# Altium PCB Power Distribution Board Rev5.PcbDoc (part 1 of 2) (continued)
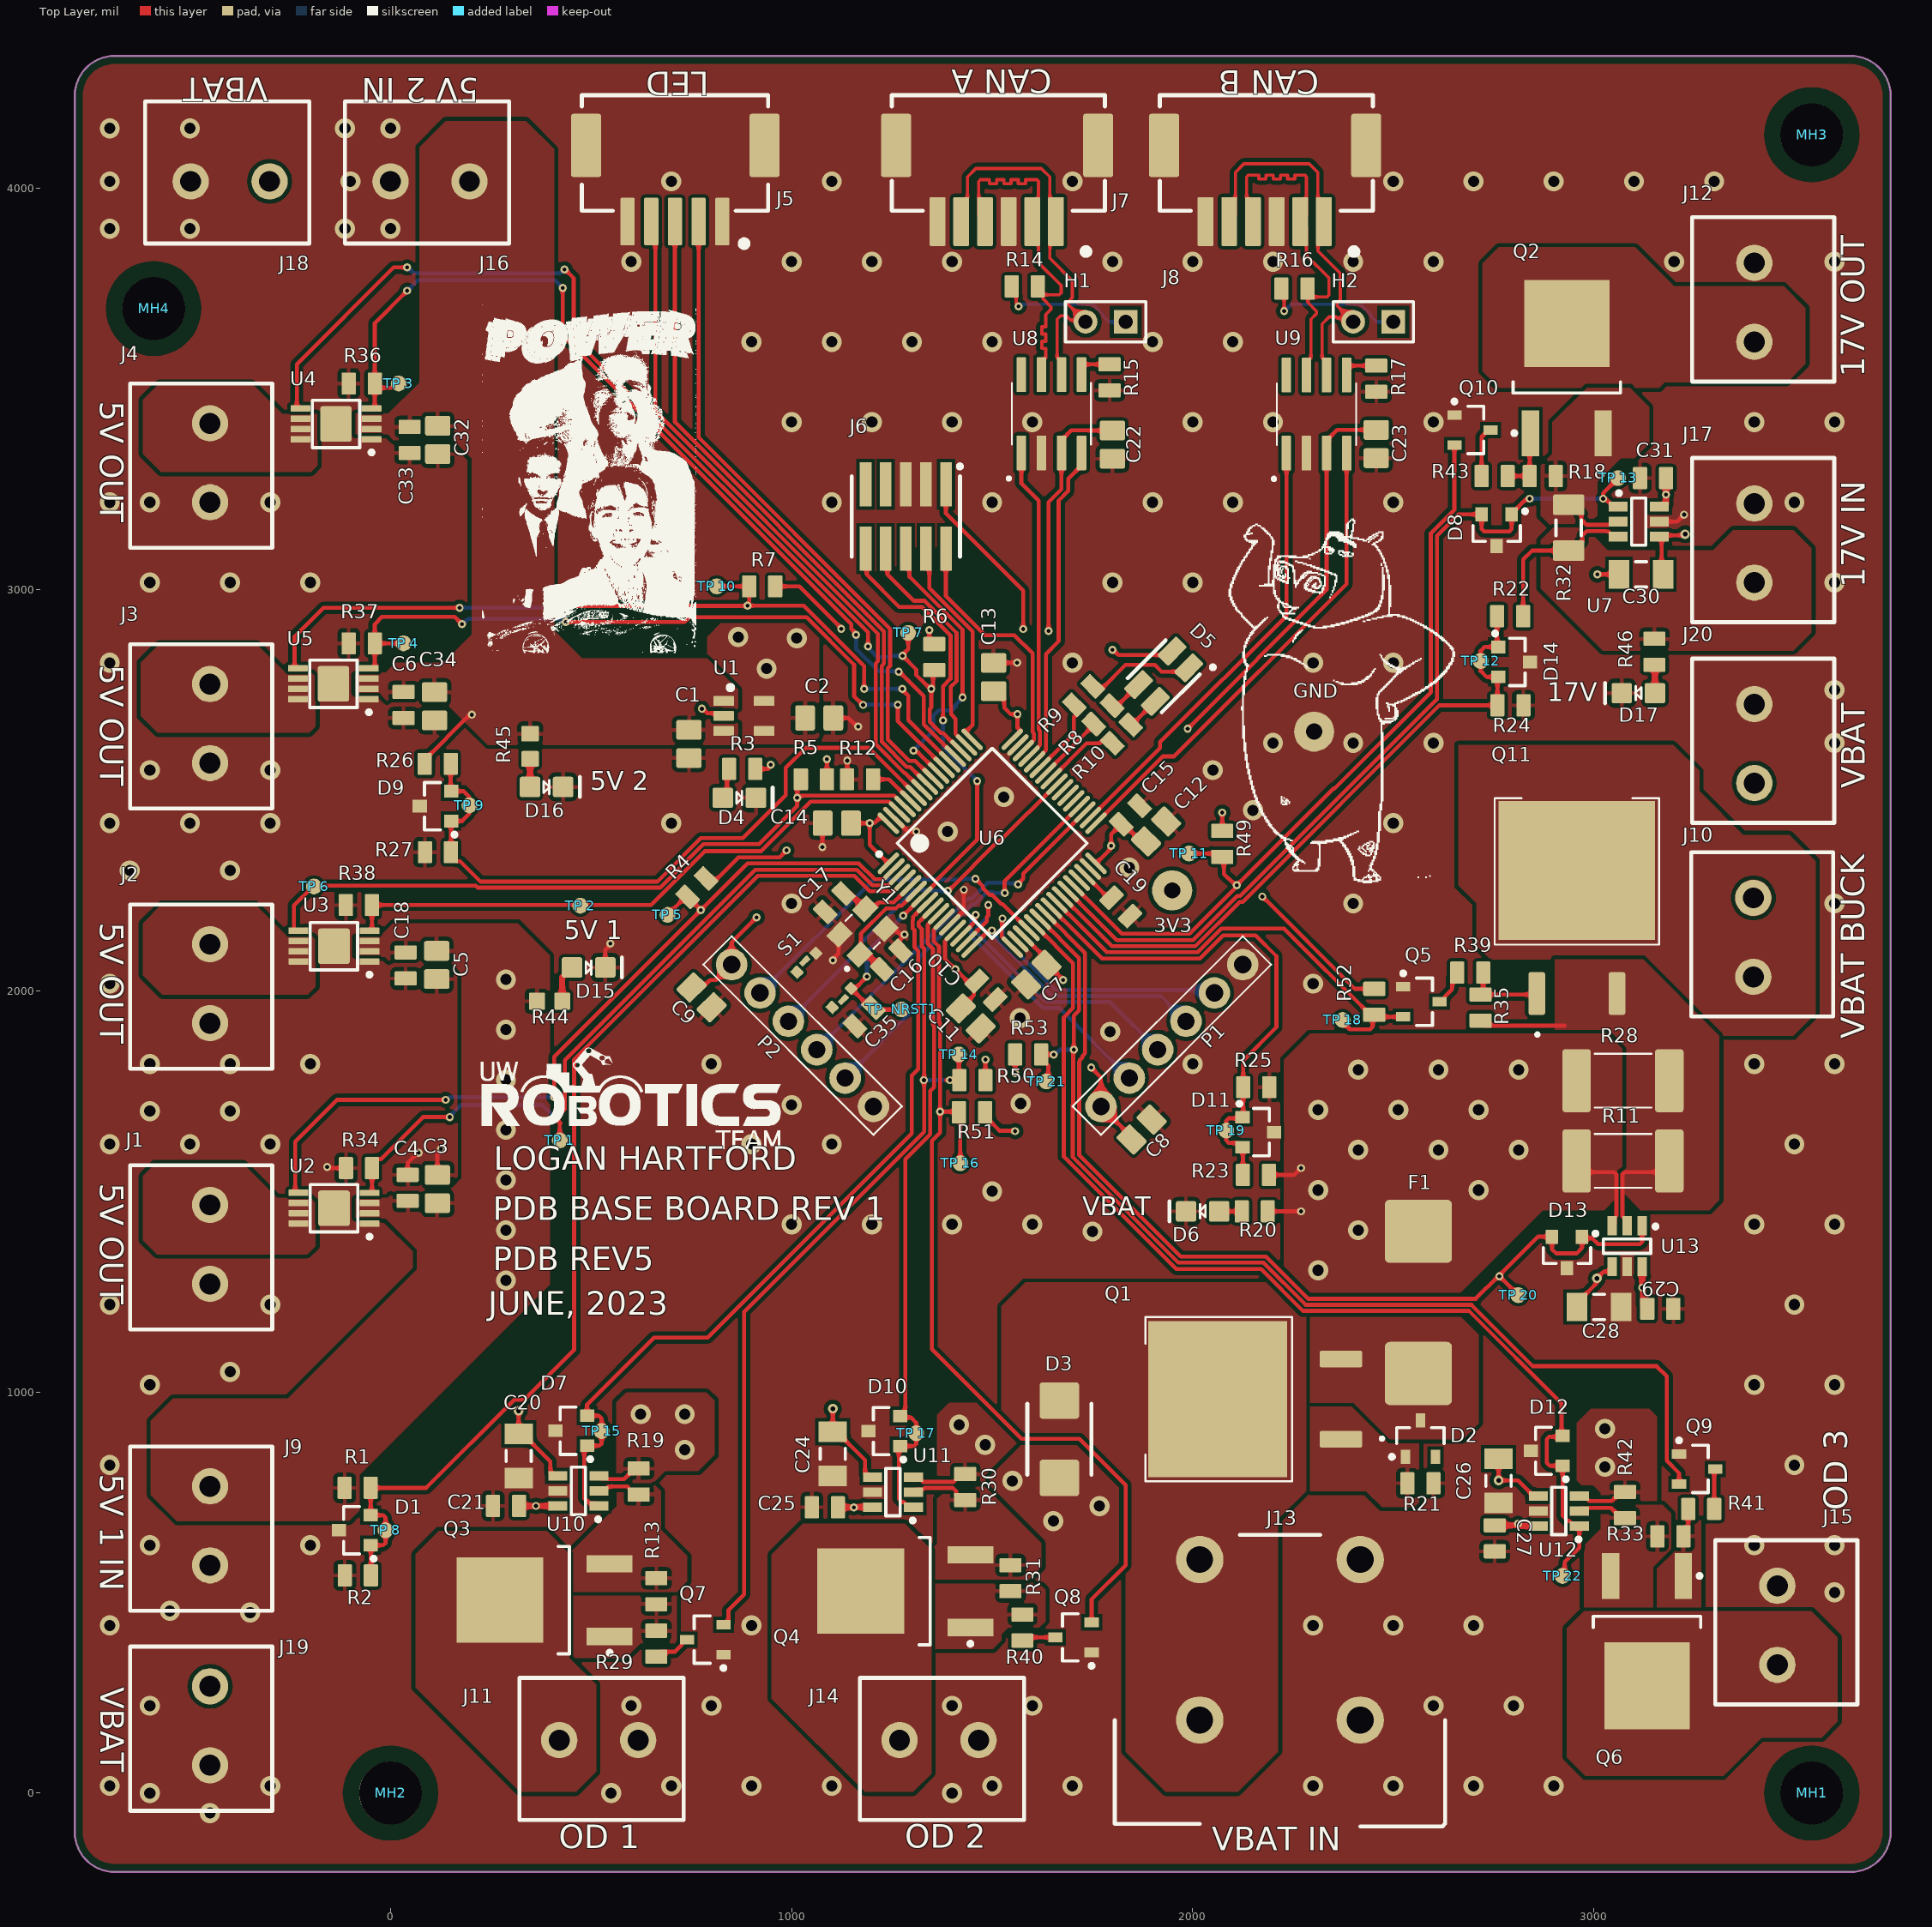
[diagram p0: Top Layer view]
## Components (designator, comment, footprint, x,y, rotation, side; value= is the part's Value field where it differs from the comment) (continued)
"TP 14" "TESTPOINT_1MM_CIRCLE" TESTPOINT_CIRCLE_1MM 1417.12,1841.15 r90 top
"TP 15" "TESTPOINT_1MM_CIRCLE" TESTPOINT_CIRCLE_1MM 526.25,902.38 r90 top
"TP 16" "TESTPOINT_1MM_CIRCLE" TESTPOINT_CIRCLE_1MM 1420.6,1570.15 r90 top
"TP 17" "TESTPOINT_1MM_CIRCLE" TESTPOINT_CIRCLE_1MM 1310.59,896.96 r90 top
"TP 18" "TESTPOINT_1MM_CIRCLE" TESTPOINT_CIRCLE_1MM 2373.6,1927.25 r90 top
"TP 19" "TESTPOINT_1MM_CIRCLE" TESTPOINT_CIRCLE_1MM 2083.53,1651.51 r90 top
"TP 20" "TESTPOINT_1MM_CIRCLE" TESTPOINT_CIRCLE_1MM 2811.6,1241.15 r90 top
"TP 21" "TESTPOINT_1MM_CIRCLE" TESTPOINT_CIRCLE_1MM 1635,1774 r90 top
"TP 22" "TESTPOINT_1MM_CIRCLE" TESTPOINT_CIRCLE_1MM 2921.97,541.22 r90 top
"TP  NRST1" "TESTPOINT_1MM_CIRCLE" TESTPOINT_CIRCLE_1MM 1274.04,1953.67 r90 top
U1 "LDO_3.3V_500mA" SOT23-5 880.96,2685.07 r0 top
U2 "BD82006FVJ-MGE2" 8-TSSOP-BJ -140.88,1457.82 r180 top
U3 "BD82006FVJ-MGE2" 8-TSSOP-BJ -141.05,2111.01 r180 top
U4 "BD82006FVJ-MGE2" 8-TSSOP-BJ -135.98,3412.99 r180 top
U5 "BD82006FVJ-MGE2" 8-TSSOP-BJ -142.45,2765.2 r180 top
U6 "STM32F446RET6" STM_LQFP64_N 1500,2367.72 r45 top
U7 "MPQ8112GJ-AEC1-Z" MPQ8112GJ-AEC1-Z 3111.63,3169.57 r0 top
U8 "IC_CAN_TRANSCEIVER" SOIC127P600X175-8N 1647.74,3438.46 r90 top
U9 "IC_CAN_TRANSCEIVER" SOIC127P600X175-8N 2308.58,3437.62 r90 top
U10 "MPQ8112GJ-AEC1-Z" MPQ8112GJ-AEC1-Z 468.26,753.15 r180 top
U11 "MPQ8112GJ-AEC1-Z" MPQ8112GJ-AEC1-Z 1252.6,750.35 r180 top
U12 "MPQ8112GJ-AEC1-Z" MPQ8112GJ-AEC1-Z 2912.6,703.15 r180 top
U13 "MPQ8112GJ-AEC1-Z" MPQ8112GJ-AEC1-Z 3082.91,1363.15 r270 top
Y1 "CRYSTAL_25MHZ_20PF" XTAL_ECS-250-20-33-CKM-TR 1176.79,2147.18 r45 top

## Footprints (in the part's own frame and the unit in brackets; to place one, negate y for a bottom-side part, rotate by r counter-clockwise, add the part's x,y. Pads: shape width x height; smd on the part's side, far side on the other; paste and mask are expansions set on the pad)
8-TSSOP-BJ [mm]
  rrect15% 1.25x0.4 smd: 1(-2.25,0.975) 2(-2.25,0.325) 3(-2.25,-0.325) 4(-2.25,-0.975) 5(2.25,-0.985) 6(2.25,-0.335) 7(2.25,0.315) 8(2.25,0.965)
  rrect15% 2x2.25 smd: 9(0,0)
  silkscreen extent -2.38,-1.5 1.5,1.92, body extent -2.47,-1.5 2.53,1.5, height 1.09
1935161 [mm] "TERM BLK 2POS SIDE ENTRY 5MM PCB"
  round 2.3 hole 1.325: 1(-2.5,0) 2(2.5,0)
  silkscreen extent -5.01,-5.06 5.39,3.94, body extent -5.01,-5.06 5.39,3.94, height 11.41
CAP0805 [mm] "Chip Capacitor, Body 2.0x1.2mm, Height 0.45mm, IPC Medium Density"
  rrect15% 0.9x1.4 smd: 1(-0.825,0) 2(0.825,0)
  body extent -1.1,-0.73 1.1,0.73, height 1.39
CAP2012 [mm]
  rrect20% 1.25x1.6 smd: 1(-0.895,0) 2(0.895,0)
  body extent -1.1,-0.7 1.1,0.75, height 1.41
CAPC3216X190X50NL20T25 [mm] "Chip Capacitor, 2-Leads, Body 3.20x1.60mm, IPC Medium Density"
  rect 1.3x1.8 smd: 1(-1.4,0) 2(1.4,0)
  silkscreen extent -0.35,-0.8 0.35,0.8, body extent -1.6,-0.9 1.6,0.9, height 1.59
CONN_6POS_SIP [mm]
  round 2 hole 1.1: 1(0,6.35) 2(0,3.81) 3(0,1.27) 4(0,-1.27) 5(0,-3.81) 6(0,-6.35)
  silkscreen extent -1.27,-7.62 1.27,7.62, body extent -1.27,-7.62 1.27,7.62, height 9.5
"DPAK254P1524X483-4_3N - new" [mm]
  rrect25% 2.7x1.06 smd: 1(-6.4,2.54) 3(-6.4,-2.54)
  rect 8.8x9.9 smd: 2(1.397,0)
  silkscreen extent -9.1,-5.2 5.97,5.2, body extent -7.62,-5.08 7.62,5.08, height 4.83
ESD3V3AP-TP [mm] "TVS DIODE 3.3VWM 7.5VC SOT23"
  rect 0.9x0.8 smd: 1(-1,0.95) 2(-1,-0.95) 3(1,0)
  silkscreen extent -1.33,-1.5 0.7,1.92, body extent -1.32,-1.52 1.32,1.52, height 1.1
FTSH-105-01-F-DV-K-P-TR [mil] "Samtec programming header 10 positions"
  rect 29x110 smd mask+2: 1(-100,-80) 2(-100,80) 3(-50,-80) 4(-50,80) 5(0,-80) 6(0,80) 7(50,-80) 8(50,80) 9(100,-80) 10(100,80)
  silkscreen extent -140,-130 135,100, body extent -125,-175 125,115, height 276
FUSE_3912 [mm] "Chip Fuse, Body 9.8x2.03mm"
  rrect15% 4x4.25 smd: 1(-4.5,0) 2(4.5,0)
  body extent -4.9,-1.53 4.9,1.53, height 3.18
HDR1X2 [mm] "Connector; Header; 2 Position"
  rect 1.5x1.5 hole 0.9: 1(0,0)
  round 1.5 hole 0.9: 2(2.54,0)
  silkscreen extent -1.27,-1.27 3.81,1.27, body extent -1.27,-1.27 3.81,1.27, height 6.35
LED_0805_GREEN [mm] "SMD, 2-Leads, Body 2x1.25mm"
  rrect20% 1.3x1.3 smd: 1(-1.05,0) 2(1.05,0)
  silkscreen extent -0.18,-0.64 2.11,0.64, body extent -1,-0.62 1,0.63, height 1.12
LED_RGB [mm]
  rrect20% 1x1.7 smd: 1(-0.75,-1.5) 2(-0.75,1.5) 3(0.75,1.5) 4(0.75,-1.5)
  silkscreen extent -1.92,-2.72 1.53,1.7, body extent -1.4,-1.75 1.4,1.75, height 1.89
MOLEX-5025850570 [mm]
  rrect15% 1.9x4 smd: 0(-8.625,4.82) 0(2.675,4.82)
  rrect15% 0.9x3 smd: 1(0,0) 2(-1.5,0) 3(-3,0) 4(-4.5,0) 5(-6,0)
  silkscreen extent -8.9,-1.6 2.9,8, body extent -8.9,-0.5 2.9,8, height 6.21
MOLEX-5025850670 [mm]
  rrect15% 1.9x4 smd: 0(-10.125,4.82) 0(2.675,4.82)
  rrect15% 1x3.1 smd: 1(0,0) 2(-1.5,0) 3(-3,0) 4(-4.5,0) 5(-6,0) 6(-7.5,0)
  silkscreen extent -10.4,-2.1 3.1,8, body extent -10.25,-0.62 3.05,7.88, height 6.41
MOUNTING_HOLE_5/38#1 [mm] "Meant to use with Mcmaster-carr PN: 91443A250"
  round 3.97 hole 3.97 unplated mask+0.3: 0(1.1,0.82)
MOUNTING_HOLE_5/38#2 [mm] "Meant to use with Mcmaster-carr PN: 91443A250"
  round 3.97 hole 3.97 unplated mask+0.3: 0(0,-1.72)
MOUNTING_HOLE_5/38#3 [mm] "Meant to use with Mcmaster-carr PN: 91443A250"
  round 3.97 hole 3.97 unplated mask+0.3: 0(1.1,-0.86)
MOUNTING_HOLE_5/38#4 [mm] "Meant to use with Mcmaster-carr PN: 91443A250"
  round 3.97 hole 3.97 unplated mask+0.3: 0(-4.59,0.51)
MPQ8112GJ-AEC1-Z [mm] "SOT23, 6-Leads, Body 2.90x2.40mm, Pitch 0.95mm, IPC Medium Density"
  rect 1.2x0.6 smd: 1(-1.3,0.95) 2(-1.3,0) 3(-1.3,-0.95) 4(1.3,-0.95) 5(1.3,0) 6(1.3,0.95)
  silkscreen extent -1.37,-1.5 0.45,1.92, body extent -1.28,-1.5 1.28,1.5, height 1
RD3P130SPFRATL [mm] "MOSFET P-CH 100V 13A TO252"
  rect 2.9x1.1 smd: 1(-4.65,2.3) 3(-4.65,-2.3)
  rect 5.5x5.4 smd: 2(2.3,0)
  silkscreen extent -4.77,-3.4 -1.4,3.45, body extent -4.4,-3.4 5.6,3.4, height 2.3
RES0603 [mm] "Chip Resistor, Body 1.6x0.8mm, IPC Medium Density"
  rrect15% 1x1.1 smd: 1(0,0) 2(1.6,0)
  body extent 0,-0.4 1.6,0.4, height 0.46
RES0805 [mm] "Chip Resistor, 2-Leads, Body 2.00x1.25mm, IPC High Density"
  rrect15% 0.9x1.4 smd: 1(-0.825,0) 2(0.825,0)
  body extent -1,-0.62 1,0.63, height 0.61
RES1206 [mm] "Chip Resistor, Body 3.2x1.6mm, IPC Medium Density"
  rrect20% 1.3x2 smd: 1(-1.45,0) 2(1.45,0)
  silkscreen extent -0.5,-0.8 0.5,0.8, body extent -1.6,-0.8 1.6,0.8, height 0.61
RESC6532X75N [mm]
  rrect20% 1.8x4 smd: 1(-2.935,0) 2(2.935,0)
  silkscreen extent -1.79,-1.7 1.79,1.7, body extent -3.17,-1.6 3.17,1.6, height 0.65
SOIC127P600X175-8N [mm]
  rrect15% 2.2x0.6 smd: 1(-2.475,1.905) 2(-2.475,0.635) 3(-2.475,-0.635) 4(-2.475,-1.905) 5(2.475,-1.905) 6(2.475,-0.635) 7(2.475,0.635) 8(2.475,1.905)
  silkscreen extent -4.2,-2.51 1.95,2.8, body extent -3,-2.45 3,2.45, height 1.75
SOT23-3 [mm] "SOT23, 3-Leads, Body 2.90x2.30mm, Pitch 0.95mm, IPC Medium Density"
  rect 0.9x0.6 smd: 1(-1.15,0.95) 2(-1.15,-0.95) 3(1.15,0)
  silkscreen extent -1.27,-1.5 0.7,1.92, body extent -1.3,-1.5 1.3,1.5, height 1.1
SOT23-5 [mm]
  rrect15% 1.3x0.63 smd: 1(-1.279,0.95) 2(-1.279,0) 3(-1.279,-0.95) 4(1.279,-0.95) 5(1.279,0.95)
  silkscreen extent -0.99,1.66 -0.71,1.94, body extent -1.4,-1.45 1.4,1.45, height 1.2
STM_LQFP64_N [mm] "Thin QFP, 64-Leads, Body 10x10mm, Pitch 0.5mm, IPC Medium Density"
  oval 1.8x0.3 smd mask+0.05: 1(-5.55,3.75) 2(-5.55,3.25) 3(-5.55,2.75) 4(-5.55,2.25) 5(-5.55,1.75) 6(-5.55,1.25) 7(-5.55,0.75) 8(-5.55,0.25) 9(-5.55,-0.25) 10(-5.55,-0.75) 11(-5.55,-1.25) 12(-5.55,-1.75) 13(-5.55,-2.25) 14(-5.55,-2.75) 15(-5.55,-3.25) 16(-5.55,-3.75) 33(5.55,-3.75) 34(5.55,-3.25) 35(5.55,-2.75) 36(5.55,-2.25) 37(5.55,-1.75) 38(5.55,-1.25) 39(5.55,-0.75) 40(5.55,-0.25) 41(5.55,0.25) 42(5.55,0.75) 43(5.55,1.25) 44(5.55,1.75) 45(5.55,2.25) 46(5.55,2.75) 47(5.55,3.25) 48(5.55,3.75)
  oval 0.3x1.8 smd mask+0.05: 17(-3.75,-5.55) 18(-3.25,-5.55) 19(-2.75,-5.55) 20(-2.25,-5.55) 21(-1.75,-5.55) 22(-1.25,-5.55) 23(-0.75,-5.55) 24(-0.25,-5.55) 25(0.25,-5.55) 26(0.75,-5.55) 27(1.25,-5.55) 28(1.75,-5.55) 29(2.25,-5.55) 30(2.75,-5.55) 31(3.25,-5.55) 32(3.75,-5.55) 49(3.75,5.55) 50(3.25,5.55) 51(2.75,5.55) 52(2.25,5.55) 53(1.75,5.55) 54(1.25,5.55) 55(0.75,5.55) 56(0.25,5.55) 57(-0.25,5.55) 58(-0.75,5.55) 59(-1.25,5.55) 60(-1.75,5.55) 61(-2.25,5.55) 62(-2.75,5.55) 63(-3.25,5.55) 64(-3.75,5.55)
  silkscreen extent -5.67,-4.25 4.25,4.7, body extent -6,-5.99 6,6.01, height 1.56
TACTILE_SWITCH_SMD [mm]
  rrect15% 0.65x0.6 smd: 1(-1.575,0.85) 2(1.575,0.85) 3(1.575,-0.85) 4(-1.575,-0.85)
  rrect15% 0.35x0.7 smd: 5(1.725,0) 6(-1.725,0)
  body extent -1.75,-1.35 1.75,1.35, height 1.6
TESTPOINT_CIRCLE_1MM [mm]
  round 1 smd: 1(0,0)
TESTPOINT_LOOP [mm]
  round 2.54 hole 1.02: 1(0,0)
  body extent -1.27,-1.27 1.27,1.27, height 4.57
TVS_DIODE_BIDIR_SMB [mm] "DO-214AA, SMB"
  rrect15% 2.3x2.5 smd: 1(-2.45,0) 2(2.45,0)
  silkscreen extent -2.25,-2.03 2.25,2.03, body extent -2.7,-1.8 2.7,1.8, height 2.27
VP0265840000G [mm] "PCB TERMINAL BLOCKS RISING CLAMP"
  round 3 hole 1.7: 1(-5.08,5.08) 1(5.08,5.08) 2(-5.08,-5.08) 2(5.08,-5.08)
  silkscreen extent -11.81,-10.46 6.65,10.46, body extent -11.65,-10.46 6.65,10.46, height 28.5
XTAL_ECS-250-20-33-CKM-TR [mm]
  rect 1.3x1.1 smd: 1(-1.15,-0.9) 2(1.15,-0.9) 3(1.15,0.9) 4(-1.15,0.9)
  silkscreen extent -2.45,-1.25 0.27,1.25, body extent -1.62,-1.25 1.58,1.25, height 0.8

## Part data
3V3 GND: "TESTPOINT THRUHOLE", Manufacturer 1="Keystone Electronics", Manufacturer Part Number 1=5002, Package/Footprint=TH, Supplier Part Number 1=36-5002-ND, Mounting Type=TH, Supplier 1=Digi-Key
C1 C2 C11: "CAP CER 1UF 50V X7R 0805", LCSC Part #=C28323, Manufacturer 1="Samsung Electro-Mechanics", Manufacturer Part Number 1=CL21B105KBFNNNG, Package=0805, Supplier Part Number 1=1276-6470-1-ND, Voltage Rating=50V, Mounting Type=SMD, Supplier 1=Digi-Key
C3 C5 C32 C34: "CAP CER 10UF 16V X5R 0805", Dielectric=X5R, Manufacturer 1=Yageo, Manufacturer Part Number 1=CC0805KKX5R7BB106, Package/Footprint=0805, Supplier Part Number 1=311-1865-1-ND, Voltage Rating=16V, Mounting Type=SMD, Supplier 1=Digi-Key
C4 C6 C18 C33: "CAP CER 1UF 16V X7R 0805", Dielectric=X7R, Manufacturer 1=Yageo, Manufacturer Part Number 1=CC0805KKX7R7BB105, Package=0805, Supplier Part Number 1=311-1365-1-ND, Voltage Rating=16V, Mounting Type=SMD, Supplier 1=Digi-Key
C7 C8 C9 C12 C13 C14 C22 C23: "CAP CER 0.1UF 50V X7R 0805", Dielectric=X7R, LCSC Part #=C49678, Manufacturer 1="Murata Electronics", Manufacturer Part Number 1=GCM21BR71H104KA37K, Package/Footprint=0805, Supplier Part Number 1=490-8049-1-ND, Voltage Rating=50V, Mounting Type=SMD, Supplier 1=Digi-Key
C10: "CAP CER 0.01uF 100V X7R 0805", Dielectric=X7R, LCSC Part #=C1710, Manufacturer 1="AVX Corporation", Manufacturer Part Number 1=08051C103KAT2A, Package=0805, Supplier Part Number 1=478-1358-1-ND, Voltage Rating=100V, Mounting Type=SMD, Supplier 1=Digi-Key
C15 C19: "CAP CER 4.7UF 16V X5R 0805", Dielectric=X5R, LCSC Part #=C1779, Manufacturer 1="Samsung Electro-Mechanics", Manufacturer Part Number 1=CL21A475KOFNNNE, Package=0805, Supplier Part Number 1=1276-1065-1-ND, Voltage Rating=16V, Mounting Type=SMD, Supplier 1=Digi-Key
C16 C17: "CERAMIC CAP MLCC HIGH-Q 125C", Manufacturer="Murata Electronics", Manufacturer Part Number=GQM2195C2E140JB12D, Package=0805, Supplier Part Number 1=490-GQM2195C2E140JB12DCT-ND, Voltage Rating=250V, Mounting Type=SMD, Supplier 1=Digi-Key
C20 C24 C26 C28 C30: "CAP CER 1UF 100V X7R 1206", Package=1206, Supplier Part Number 1=490-16468-1-ND, Voltage Rating=100V, Mounting Type=SMD, Supplier 1=Digi-Key
C21 C25 C27 C29 C31 C35: "CAP CER 0.1uF 10V 0805", Manufacturer 1=KEMET, Manufacturer Part Number 1=C0805C104K8RAC7800, Package/Footprint=0805, Supplier Part Number 1=399-C0805C104K8RAC7800DKR-ND, Voltage Rating=10V, Supplier 1=Digi-Key
D1 D7 D8 D9 D10 D11 D12 D13 D14: "TVS DIODE 3.3VWM 7.5VC SOT23", Manufacturer 1="Micro Commercial Co", Manufacturer Part Number 1=ESD3V3AP-TP, Package/Footprint=SOT-23, Supplier Part Number 1=ESD3V3AP-TPMSCT-ND, Voltage - Breakdown (Min)=5V, Voltage - Clamping (Max) @ Ipp=7.5V, Voltage - Reverse Standoff (Typ)=3.3V, Mounting Type=SMD, Supplier 1=Digi-Key
D2: "DIODE ZENER 51V 250MW TO236AB", Forward Voltage=0.9V, Manufacturer 1="Nexperia USA Inc.", Manufacturer Part Number 1=BZX84-C51,215, Package/Case=SOT-23-3, Supplier Part Number 1=1727-5037-1-ND, Working Voltage=51V, Supplier 1=Digi-Key
D3: "TVS DIODE 51VWM 82.4VC DO214AA", Manufacturer 1=Littelfuse, Manufacturer Part Number 1=SMBJ26CA, Package/Footprint=SMB, Supplier Part Number 1=SMBJ51CALFCT-ND, Voltage - Breakdown (Min)=56.7V, Voltage - Clamping (Max) @ Ipp=82.4V, Voltage - Reverse Standoff (Typ)=51V, Mounting Type=SMD, Supplier 1=Digi-Key, Supplier 2=Digi-Key, Supplier Part Number 2=SMBJ51CA-FDIDKR-ND
D4 D6 D15 D16 D17: "LED GREEN DIFFUSED 0805 SMD", Forward Voltage Drop=2.2V, Manufacturer 1=OSRAM, Manufacturer Part Number 1="LG R971-KN-1", Package/Footprint=0805, Supplier Part Number 1=475-1410-1-ND, Mounting Type=SMD, Supplier 1=Digi-Key, Supplier 2="Future Electronics", Supplier Part Number 2=1152237
D5: "LED RGB DIFFUSED 4PLCC SMD", Color=Blue,Green,Red, Forward Voltage=3.1V, Lens Color=White, Manufacturer 1=Broadcom, Manufacturer Part Number 1=ASMB-MTB1-0A3A2, Package/Footprint=4-PLCC, Supplier Part Number 1=516-3280-1-ND, Test Current=20mA, Dominant Wavelength=470nm, Lens Style=Round, Lens Transparency=Diffused, Luminous Intensity=350mcd, Mounting Type=SMD, Number of Pins=4, Supplier 1=Digi-Key, Viewing Angle=115°
F1: "FUSE SMT 3912 ENH BRK 250V 30A", Current Rating=30A, Manufacturer 1="Bel Fuse Inc.", Manufacturer Part Number 1=0678H9300-02, Package/Footprint=3912, Supplier Part Number 1=507-2254-1-ND, Mounting Type=SMD, Supplier 1=Digi-Key, Verified=No
H1 H2: "HEADER 2X1", Manufacturer 1="TE Connectivity", Manufacturer Part Number 1=87220-2, Package/Footprint=TH, Supplier Part Number 1=A26542-ND, Mount="Through Hole", Mounting Type=TH, Supplier 1=Digi-Key
J1 J2 J3 J4 J9 J10 J11 J12 J14 J15 J16 J17 J18 J19 J20: "TERM BLK 2POS SIDE ENTRY 5MM", Current=18A, Manufacturer 1="Phoenix Contact", Manufacturer Part Number 1=1935161, Max Current Rating=16A, Package/Footprint=SMD, Supplier Part Number 1=277-1667-ND, Voltage=300V, Mounting Type=TH, Supplier 1=Digi-Key
J5: "CONN HEADER SMD RIGHT ANGLE 1.5MM PITCH", Current Rating=2A, Manufacturer 1=Molex, Manufacturer Part Number 1=5025850570, Package/Footprint=SMD, Supplier Part Number 1=WM14469CT-ND, Family=CLIK-Mate, Mounting Type=SMD, Orientation="Right Angle", Supplier 1=Digi-Key
J6: "CONN HEADER SMD 10POS 1.27MM", Manufacturer 1=Samtec, Manufacturer Part Number 1=FTSH-105-01-F-DV-K, Supplier Part Number 1=SAM8796-ND, Mounting Type=SMD, Pitch=1.27mm, Supplier 1=Digi-Key
J7 J8: "CONN HEADER SMD RIGHT ANGLE 1.5 MM PITCH", Manufacturer 1=Molex, Manufacturer Part Number 1=5025850670, Package/Footprint=SMD, Supplier Part Number 1=WM12832CT-ND, Family=CLIK-Mate, Mounting Type=SMD, Supplier 1=Digi-Key
J13: library part CON_2POS_SCREW_TERM_65A, "PCB TERMINAL BLOCKS RISING CLAMP", Manufacturer 1="Amphenol Anytek", Manufacturer Part Number 1=VP0265840000G, Package/Footprint=TERMINAL, Supplier Part Number 1=1818-VP0265840000G-ND, Mounting Type=TH, Supplier 1=Digi-Key
P1 P2: library part CONN_SIP_6, "Header, 6-Pin, SIP"
Q1 Q11: "MOSFET P-CH 100V 38A D2PAK", Current - Continous Drain=38A, Manufacturer 1="Vishay Siliconix", Manufacturer Part Number 1=IRF5210STRLPBF, Package/Footprint=D2Pak, Supplier Part Number 1=IRF5210STRLPBFCT-ND, Id=120A, Mounting Type=SMD, Supplier 1=Digi-Key, Vdss=100V, Verified=No, Vgs (Max)=±15V
Q2 Q3 Q4 Q6: "MOSFET P-CH 100V 13A TO252", Current - Continous Drain=13A, Manufacturer 1="Rohm Semiconductor", Manufacturer Part Number 1=RD3P130SPFRATL, Package/Footprint=D2Pak, Supplier Part Number 1=RD3P130SPFRATLCT-ND, Mounting Type=SMD, Supplier 1=Digi-Key, Vdss=100V, Verified=No, Vgs (Max)=±20V
Q5 Q7 Q8 Q9 Q10: "N-Channel 60 V 340mA (Ta) 350mW (Ta) Surface Mount SOT-23", Manufacturer 1="ANBON SEMICONDUCTOR (INT'L) LIMITED", Manufacturer Part Number 1=2N7002E, Package/Footprint=SOT-23, Supplier Part Number 1=4530-2N7002ECT-ND, Id=340mA, Mounting Type=SMD, Supplier 1=Digi-Key, Vdss=60V, Verified=No, Vgs (Max)=±20V
R1 R26: library part RES_2.2kΩ_0805_5%, "RES 2.2K OHM 5% 1/8W 0805", Manufacturer 1="Vishay Dale", Manufacturer Part Number 1=CRCW08052K20JNEAC, Package=0805, Supplier Part Number 1=541-4169-1-ND, Tolerance=5%, Supplier 1=Digi-Key
R2 R27 R46: "RES 3.3K OHM 1% 1/8W 0805", LCSC Part #=C26010, Manufacturer 1="Vishay Dale", Manufacturer Part Number 1=CRCW06033K30FKEA, Package=0805, Supplier Part Number 1=541-3.30KHCT-ND, Mounting Type=SMD, Supplier 1=Digi-Key
R3: "RES 220 OHM 5% 1/2W 0805", LCSC Part #=C17557, Manufacturer 1="Panasonic Electronic Components", Manufacturer Part Number 1=ERJ-P06J221V, Package=0805, Supplier Part Number 1=P220ADCT-ND, Mounting Type=SMD, Supplier 1=Digi-Key
R4 R5 R6 R7 R12 R20 R29 R34 R36 R37 R38 R39 R40 R41 R43 R49 R50 R51 R52 R53: "RES 10K OHM 5% 1/8W 0805", LCSC Part #=C17414, Manufacturer 1="Panasonic Electronic Components", Manufacturer Part Number 1=ERJ-6GEYJ103V, Package/Footprint=0805, Supplier Part Number 1=P10KACT-ND, Mounting Type=SMD, Supplier 1=Digi-Key
R8 R10: "RES 20 OHM 1% 1/8W 0805", LCSC Part #=C17581, Manufacturer 1=Yageo, Manufacturer Part Number 1=RC0805FR-0720RL, Package=0805, Supplier Part Number 1=311-20.0CRCT-ND, Mounting Type=SMD, Supplier 1=Digi-Key
R9 R14 R16: "RES 120 OHM 1% 1/8W 0805", LCSC Part #=C17437, Manufacturer 1=Vishay, Manufacturer Part Number 1=CRCW0805120RFKEA, Package/Footprint=0805, Supplier Part Number 1=541-120CCT-ND, Mounting Type=SMD, Supplier 1=Digi-Key
R11 R28: "RES 0.004 OHM 1% 2W 2512", Manufacturer 1="Thin Film Technology Corp.", Manufacturer Part Number 1=D1MPAB2512QR004FA-T4, Power=2W, Supplier Part Number 1=4463-D1MPAB2512QR004FA-T4CT-ND, Supplier 1=Digi-Key
R13 R18 R31 R33 R35: "RES 2.7K OHM 1% 1/8W 0805", LCSC Part #=C17530, Manufacturer 1="Panasonic Electronic Components", Manufacturer Part Number 1=ERJ-6ENF2701V, Package=0805, Supplier Part Number 1=P2.70KCCT-ND, Mounting Type=SMD, Supplier 1=Digi-Key
R15 R17: "RES 0 OHM JUMPER 1/8W 0805", LCSC Part #=C17477, Manufacturer 1="Panasonic Electronic Components", Manufacturer Part Number 1=ERJ-6GEY0R00V, Package/Footprint=0805, Supplier Part Number 1=P0.0ACT-ND, Mounting Type=SMD, Supplier 1=Digi-Key
R19 R30 R42: "RES 0.024 OHM 1% 3/4W 0805", Manufacturer 1="Thin Film Technology Corp.", Manufacturer Part Number 1=D1WEL0805MR024F-T5, Package=0805, Power=0.75W, Supplier Part Number 1=4463-D1WEL0805MR024F-T5CT-ND, Supplier 1=Digi-Key
R21 R25: "RES 1K OHM 1% 1/8W 0805", LCSC Part #=C17513, Manufacturer 1=Yageo, Manufacturer Part Number 1=RC0805FR-071KL, Package=0805, Supplier Part Number 1=311-1.00KCRCT-ND, Mounting Type=SMD, Supplier 1=Digi-Key
R22: library part RES_5.6kΩ_0805_5%, "RES 5.6K OHM 5% 1/8W 0805", Manufacturer 1=Yageo, Manufacturer Part Number 1=RC0805JR-075K6L, Package=0805, Supplier Part Number 1=311-5.6KARCT-ND, Tolerance=5%, Supplier 1=Digi-Key
R23: "RES 15K OHM 1% 1/8W 0805", Manufacturer 1="Vishay Dale", Manufacturer Part Number 1=CRCW080515K0FKEA, Supplier Part Number 1=541-15.0KCCT-ND, Supplier 1=Digi-Key
R24: library part RES_1.2kΩ_0805_5%, "RES 1.2K OHM 5% 1/8W 0805", Manufacturer 1=Yageo, Manufacturer Part Number 1=RC0805JR-071K2L, Package=0805, Supplier Part Number 1=311-1.2KARCT-ND, Tolerance=5%, Supplier 1=Digi-Key
R32: "RES 0.015 OHM 1% 1/2W 1206", Manufacturer 1=Yageo, Manufacturer Part Number 1=CSR1206FK15L0, Power=0.5W, Supplier Part Number 1=CSR1206FK15L0CT-ND, Supplier 1=Digi-Key
R44 R45: "RES 510 OHM 5% 1/10W 0603", Manufacturer 1="Vishay Dale", Manufacturer Part Number 1=CRCW0603510RJNEA, Supplier Part Number 1=541-510GCT-ND, Supplier 1=Digi-Key
S1: "SMT 3.0 X 2.6 MM TACT SWITCH WIT", Manufacturer 1="Würth Elektronik", Manufacturer Part Number 1=435151014824, Supplier Part Number 1=732-435151014824CT-ND, Supplier 1=Digi-Key
"TP 1" "TP 2" "TP 3" "TP 4" "TP 5" "TP 6" "TP 7" "TP 8" "TP 9" "TP 10" "TP 11" "TP 12" "TP 13" "TP 14" "TP 15" "TP 16" "TP 17" "TP 18" "TP 19" "TP 20" "TP 21" "TP 22" "TP  NRST1": "TESTPOINT 1MM CIRCLE"
U1: "IC REG LINEAR 3.3V 500MA SOT23-5", Input Voltage (Max)=5.25V, Manufacturer 1="RICOH Electronic Devices Co., LTD.", Manufacturer Part Number 1=RP111N331B-TR-FE, Operating Temperature="-40°C - 85°C", Output Current=500mA, Output Voltage (Fixed)=3.3V, Package/Footprint=SOT-25, Supplier Part Number 1=2129-RP111N331B-TR-FECT-ND, Voltage Dropout (Max)=0.32V, Mounting Type=SMD, Supplier 1=Digi-Key
U2 U3 U4 U5: "IC PWR SWITCH N-CHAN 1:1 8TSSOP", Manufacturer 1="Rohm Semiconductor", Package/Footprint=8-TSSOP, Supplier Part Number 1=BD82006FVJ-MGE2CT-ND, Manufacturer Part Number 1=BD82006FVJ-MGE2, Mounting Type=SMD, Rds On (Typ)=70mOhm, Supplier 1=Digi-Key
U6: "IC MCU 32BIT 512KB FLASH 64LQFP", Manufacturer 1=STMicroelectronics, Manufacturer Part Number 1=LF80CDT-TR, Supplier Part Number 1=497-15376-ND, Supplier 1=Digi-Key
U7 U10 U11 U12 U13: "60V, HIGH-SIDE CURRENT-SENSE AMP", Manufacturer="Monolithic Power Systems Inc.", Supplier Part Number=1589-MPQ8112GJ-AEC1-ZCT-ND, Gain=50, Manufacturer Part Number=MPQ8112GJ-AEC1-Z, Supplier=Digi-Key, Supplier 1=Digi-Key, Supplier Part Number 1=1589-MPQ8112GJ-AEC1-ZCT-ND, Vmax=60V, Vmin=2.7V
U8 U9: "IC TRANSCEIVER 1/1 8SOIC", Manufacturer 1=Maxim, Manufacturer Part Number 1=TCAN334GDR, Package/Footprint=14-SOIC, Supplier Part Number 1=296-49940-1-ND, Mounting Type=SMD, Supplier 1=Digi-Key
Y1: "CRYSTAL 25.0000MHZ 20PF SMD", Frequency=25MHz, Load Capacitance=20pF, Manufacturer 1="ECS Inc.", Manufacturer Part Number 1=ECS-250-20-33-CKM-TR, Package/Footprint=SMD, Supplier Part Number 1=XC1817CT-ND, Mounting Type=SMD, Supplier 1=Digi-Key

## Via types
v1: diameter 50, hole 28, Top Layer to Bottom Layer, tented both sides, 191 vias
v2: diameter 20, hole 10, Top Layer to Bottom Layer, tented both sides, 93 vias
v3: diameter 24, hole 12, Top Layer to Bottom Layer, tented both sides, 5 vias

## Nets (pads, with @x,y where several pads share a name; then routed paths per layer and width w, separated by ;. In a path a pad name is that pad's centre, name@x,y a point inside that pad or via, vN(x,y) a via of type N, cw(c..) or ccw(c..) an arc to the next point about the centre after c; other vN are vias at no path point)
3V3: 3V3.1 C2.2 C7.2 C8.2 C9.2 C10.2 C11.2 C12.2 C13.2 C14.2 C15.2 C22.2 C23.2 D5.4 J6.1 P1.1 P2.1 R3.2 R4.2 R5.2 R6.2 R7.2 R49.2 R50.2 R51.2 R52.2 R53.2 U1.4 U1.5 U6.1 U6.13 U6.19 U6.32 U6.48 U6.64 U8.3 U9.3 | length 4932.6
  Top Layer w10: C9.2@750.74,2008.48 778.47,2008.48 796.82,2026.84 812.02,2026.84 P2.1@850.47,2065.28 850.47,2121.02 v2(912.6,2183.15) v2@912.77,2182.98 ; R4.2@786.56,2280.12 791.65,2275.04 809.63,2275.04 867.2,2332.61 969.86,2332.61 v2(987.6,2350.35) ; R3.2@909.08,2553.15 941.74,2553.15 941.74,2555.67 947.6,2561.53 v2(947.6,2563.15) ; R7.2@959.08,3008.15 1019.6,3008.15 1123.52,2904.23 v2(1123.52,2902.44) ; R5.2@1088.08,2527.15 v2(1088.08,2577.57) ; C14.2@1147.83,2417.82 v2(1194.75,2417.83) ; U6.1@1241.1,2317.61 1194.75,2363.95 v2(1194.75,2417.83) ; U6.64@1241.1,2417.83 1224.35,2434.58 1223.16,2434.58 1206.41,2417.83 v2(1194.75,2417.83) ; v2(1343.24,2899.39) 1343.24,2876.77 R6.2@1355.6,2864.41 ; J6.1@1384.6,3262.15 1384.6,3190.03 1577.37,2997.26 v2(1577.37,2901.7) ; U6.13@1408.13,2150.57 1408.13,2150.08 1382.27,2124.22 1382.27,2079.45 1440.63,2021.09 1458.61,2021.09 C10.2@1461.63,2024.12 1454.67,2017.16 1454.67,1989.05 C11.2@1421.68,1956.06 ; R51.2@1482.08,1697.15 1482.08,1687.31 1518.24,1651.15 1555.97,1651.15 v2(1557.12,1650) ; v2@1482.08,1829.63 v2(1483.08,1828.63) R50.2@1483.08,1777.15 ; C13.2@1503.6,2746.91 1510.49,2746.91 1530.09,2727.31 1530.09,2705.18 1545.87,2689.4 v2(1562.95,2689.4) 1562.95,2656.03 1570.64,2648.33 1570.64,2647.15 U6.48@1550.11,2626.62 ; v2(1557.12,1794.67) R53.2@1557.12,1841.15 ; U6.19@1577.95,2136.65 1635.31,2079.29 C7.2@1635.31,2064.83 1638.92,2064.83 v2(1676.6,2027.15) ; v2(1640.6,2897.15) 1640.6,3218.15 1672.74,3250.29 U8.3@1672.74,3341.02 1672.74,3372.52 1697.55,3397.33 1739.68,3397.33 1740.25,3396.76 C22.2@1799.84,3396.76 ; v2(1746.89,1808.56) 1771.18,1784.28 P1.1@1771.18,1711.73 1847.68,1635.22 C8.2@1847.68,1629.23 ; U6.32@1758.9,2317.61 1796.6,2355.3 v2(1796.6,2361.15) 1796.6,2390.15 C15.2@1821.63,2415.18 1827.91,2415.18 1870.86,2372.23 C12.2@1883.68,2372.23 ; v2(1800,2850) 1801.62,2850 1814.58,2837.04 1938.73,2837.04 D5.4@1948.48,2846.79 ; v2(1987.46,2653.26) 2333.58,2999.38 U9.3@2333.58,3340.18 2333.58,3371.67 2360.15,3398.25 C23.2@2457.57,3398.25 ; R49.2@2073.6,2398.63 v2(2073.6,2444.15) ; v2(2173.43,2234.89) 2403.4,2004.93 R52.2@2452.6,2004.93
  other v1: 937.6,2803.15 1012.6,2879.15 866.87,2881.78
  other v2: 1408.13,2053.59
5V_1: C3.2 C4.2 C5.2 C18.2 C21.2 C25.2 C27.2 C29.2 C31.2 J9.1 R1.2 R44.2 U2.2 U2.3 U3.2 U3.3 U7.6 U10.6 U11.6 U12.6 U13.6 | length 490.8
  Top Layer w15: C21.2@320.43,715.75 v2(362.6,715.75) U10.6@417.08,715.75 ; C25.2@1115.39,712.32 v2(1155.16,712.32) 1155.79,712.95 U11.6@1201.42,712.95 ; C27.2@2753,667.48 2805.67,667.48 2809.36,671.17 v2(2810.71,671.17) 2812.06,671.17 2817.48,665.75 U12.6@2861.42,665.75 ; U13.6@3120.31,1311.97 v2(3120.31,1259.85) 3120.31,1258.49 3123.1,1255.71 3123.1,1217.18 C29.2@3133.32,1206.97 ; U7.6@3162.81,3206.98 3174.62,3206.98 3180.08,3212.43 v2(3180.08,3237.08) C31.2@3180.08,3278.15
  other v1: 287.6,1278.15 287.6,1403.15 287.6,1528.15 287.6,1653.15 287.6,1778.15 287.6,1903.15 287.6,2028.15
5V_1_ADC_INPUT: "TP 8.1" D1.1 D1.2 R1.1 R2.2 U6.4 | length 2703.4
  Top Layer w10: R2.2@-49.05,542.67 -49.05,616.77 D1.1@-50,617.72 -18.26,617.72 -12.4,623.57 -12.4,686.66 -18.26,692.52 D1.2@-50,692.52 -49.44,693.08 R1.1@-49.44,760.79 88.9,760.79 308.26,980.15 333.6,980.15 457.6,1104.15 457.6,1828.58 915.6,2286.58 1155.99,2286.58 1194.75,2247.82 1254.34,2247.82 1282.37,2275.85 U6.4@1282.86,2275.85
5V_2: C1.2 C6.2 C32.2 C33.2 C34.2 J16.1 R26.2 R45.2 U1.1 U1.3 U4.2 U4.3 U5.2 U5.3 | length 174.1
  Top Layer w10: R26.2@84.93,2565.75 84.93,2575.6 195.57,2686.24 200.69,2686.24 v2(202.6,2688.15)
5V_2_ADC_INPUT: "TP 9.1" D9.1 D9.2 R26.1 R27.2 U6.59 | length 1714.9
  Top Layer w10: R26.1@149.89,2565.75 149.89,2499.31 D9.2@151.65,2497.55 182.2,2497.55 196.6,2483.15 196.6,2441.15 178.51,2423.06 151.97,2423.06 D9.1@151.65,2422.75 150.74,2421.84 R27.2@150.74,2345.52 150.74,2335.67 163.46,2322.96 173.3,2322.96 224.11,2272.15 665.41,2272.15 773.86,2380.6 878.05,2380.6 985.4,2487.95 985.4,2555.54 1035.55,2605.69 1192.43,2605.69 U6.59@1310.7,2487.42
5V_LOAD1_1: J1.1 U2.6 U2.7 U2.8
5V_lOAD1_1_EN: "TP 1.1" R34.2 U2.4 U6.3 | length 1881.7
  Top Layer w10: U2.4@-52.3,1496.21 -49,1496.21 -46.13,1499.08 R34.2@-46.13,1557.94 -46.13,1567.78 -33.41,1580.5 -23.57,1580.5 81.08,1685.15 v2(147.6,1685.15) ; v2@412.1,1682.68 434.6,1705.18 434.6,1826.79 909.39,2301.58 1162.21,2301.58 1200.97,2262.82 1241.5,2262.82 1268.45,2289.77 U6.3@1268.94,2289.77 ; v2(412.6,1682.18) 412.6,1680.56 423.6,1669.56 422,1667.96 422,1627
  Bottom Layer w10: v2(147.6,1685.15) 147.6,1686.77 176.17,1715.35 378.43,1715.35 v2@411.6,1682.18
5V_lOAD1_1_N_OC: "TP 5.1" R4.1 U2.5 U6.2 | length 2115.2
  Top Layer w10: U2.5@-229.47,1496.6 -234.76,1496.6 -237.63,1499.48 -237.63,1623.92 -133.4,1728.15 v2(137.41,1728.15) ; v2(407.79,1735.13) 407.79,1835.34 v2(773.86,2201.41) ; 690.6,2189.15 735.63,2234.18 R4.1@740.63,2234.18 741.09,2234.18 v2(773.86,2201.41) ; U6.2@1255.02,2303.69 1254.53,2303.69 1228.66,2277.82 1207.18,2277.82 1167.4,2317.61 890.06,2317.61 v2(773.86,2201.41)
  Bottom Layer w10: v2(137.41,1728.15) 139.32,1730.06 142.17,1730.06 147.24,1735.13 v2(407.79,1735.13)
5V_LOAD1_2: J2.1 U3.6 U3.7 U3.8
5V_lOAD1_2_EN: "TP 2.1" R38.2 U3.4 U6.62 | length 1501.7
  Top Layer w10: U3.4@-52.47,2149.4 -49.17,2149.4 -46.3,2152.27 R38.2@-46.3,2213.7 472.6,2213.7 ; 472.74,2213.56 472.6,2213.7 ; U6.62@1268.94,2445.66 1268.45,2445.66 1242.58,2471.53 1047.35,2471.53 923.97,2348.15 783.83,2348.15 649.39,2213.7 472.6,2213.7
5V_lOAD1_2_N_OC: "TP 6.1" R5.1 U3.5 U6.61 | length 1806.3
  Top Layer w10: -219.26,2234.26 -240.79,2212.73 -240.79,2152.67 -237.92,2149.79 U3.5@-229.63,2149.79 -214.08,2149.79 U3.5@-211.21,2152.67 ; -219,2234 -190.88,2262.12 212.93,2262.12 217.9,2257.15 671.62,2257.15 780.07,2365.6 918.84,2365.6 1013.68,2460.44 v2(1013.68,2481.15) ; R5.1@1023.12,2527.15 1013.68,2517.71 v2(1013.68,2481.15) ; U6.61@1282.86,2459.58 1282.37,2459.58 1255.42,2486.53 1020.68,2486.53 1015.3,2481.15 v2(1013.68,2481.15)
5V_LOAD2_1: J4.1 U4.6 U4.7 U4.8
5V_lOAD2_1_EN: "TP 3.1" R36.2 U4.4 U6.52 | length 2410.6
  Top Layer w10: U4.4@-47.4,3451.38 -42.19,3451.38 -39.31,3454.25 R36.2@-39.31,3513.83 ; 20.26,3513.83 12.31,3513.83 1.63,3503.15 -28.63,3503.15 R36.2@-39.31,3513.83 ; v2(41.6,3745.15) -39.31,3664.24 R36.2@-39.31,3513.83 ; v2(429,3752) 429,3633.53 1148.52,2914.01 1148.52,2902.58 1160.7,2890.4 v2(1160.7,2887.69) ; v2(1266.98,2795.53) 1268.22,2795.53 1329.13,2734.62 1329.13,2663.86 U6.52@1408.13,2584.86
  Bottom Layer w10: v2(41.6,3745.15) 42.46,3745.15 68.46,3771.15 409.85,3771.15 v2(429,3752) ; v2(1160.7,2887.69) 1160.78,2887.62 1160.78,2852.38 1217.01,2796.15 1266.35,2796.15 v2(1266.98,2795.53)